# Altium PCB VALVEBOARD_Kun.PcbDoc (part 6 of 13) (continued)
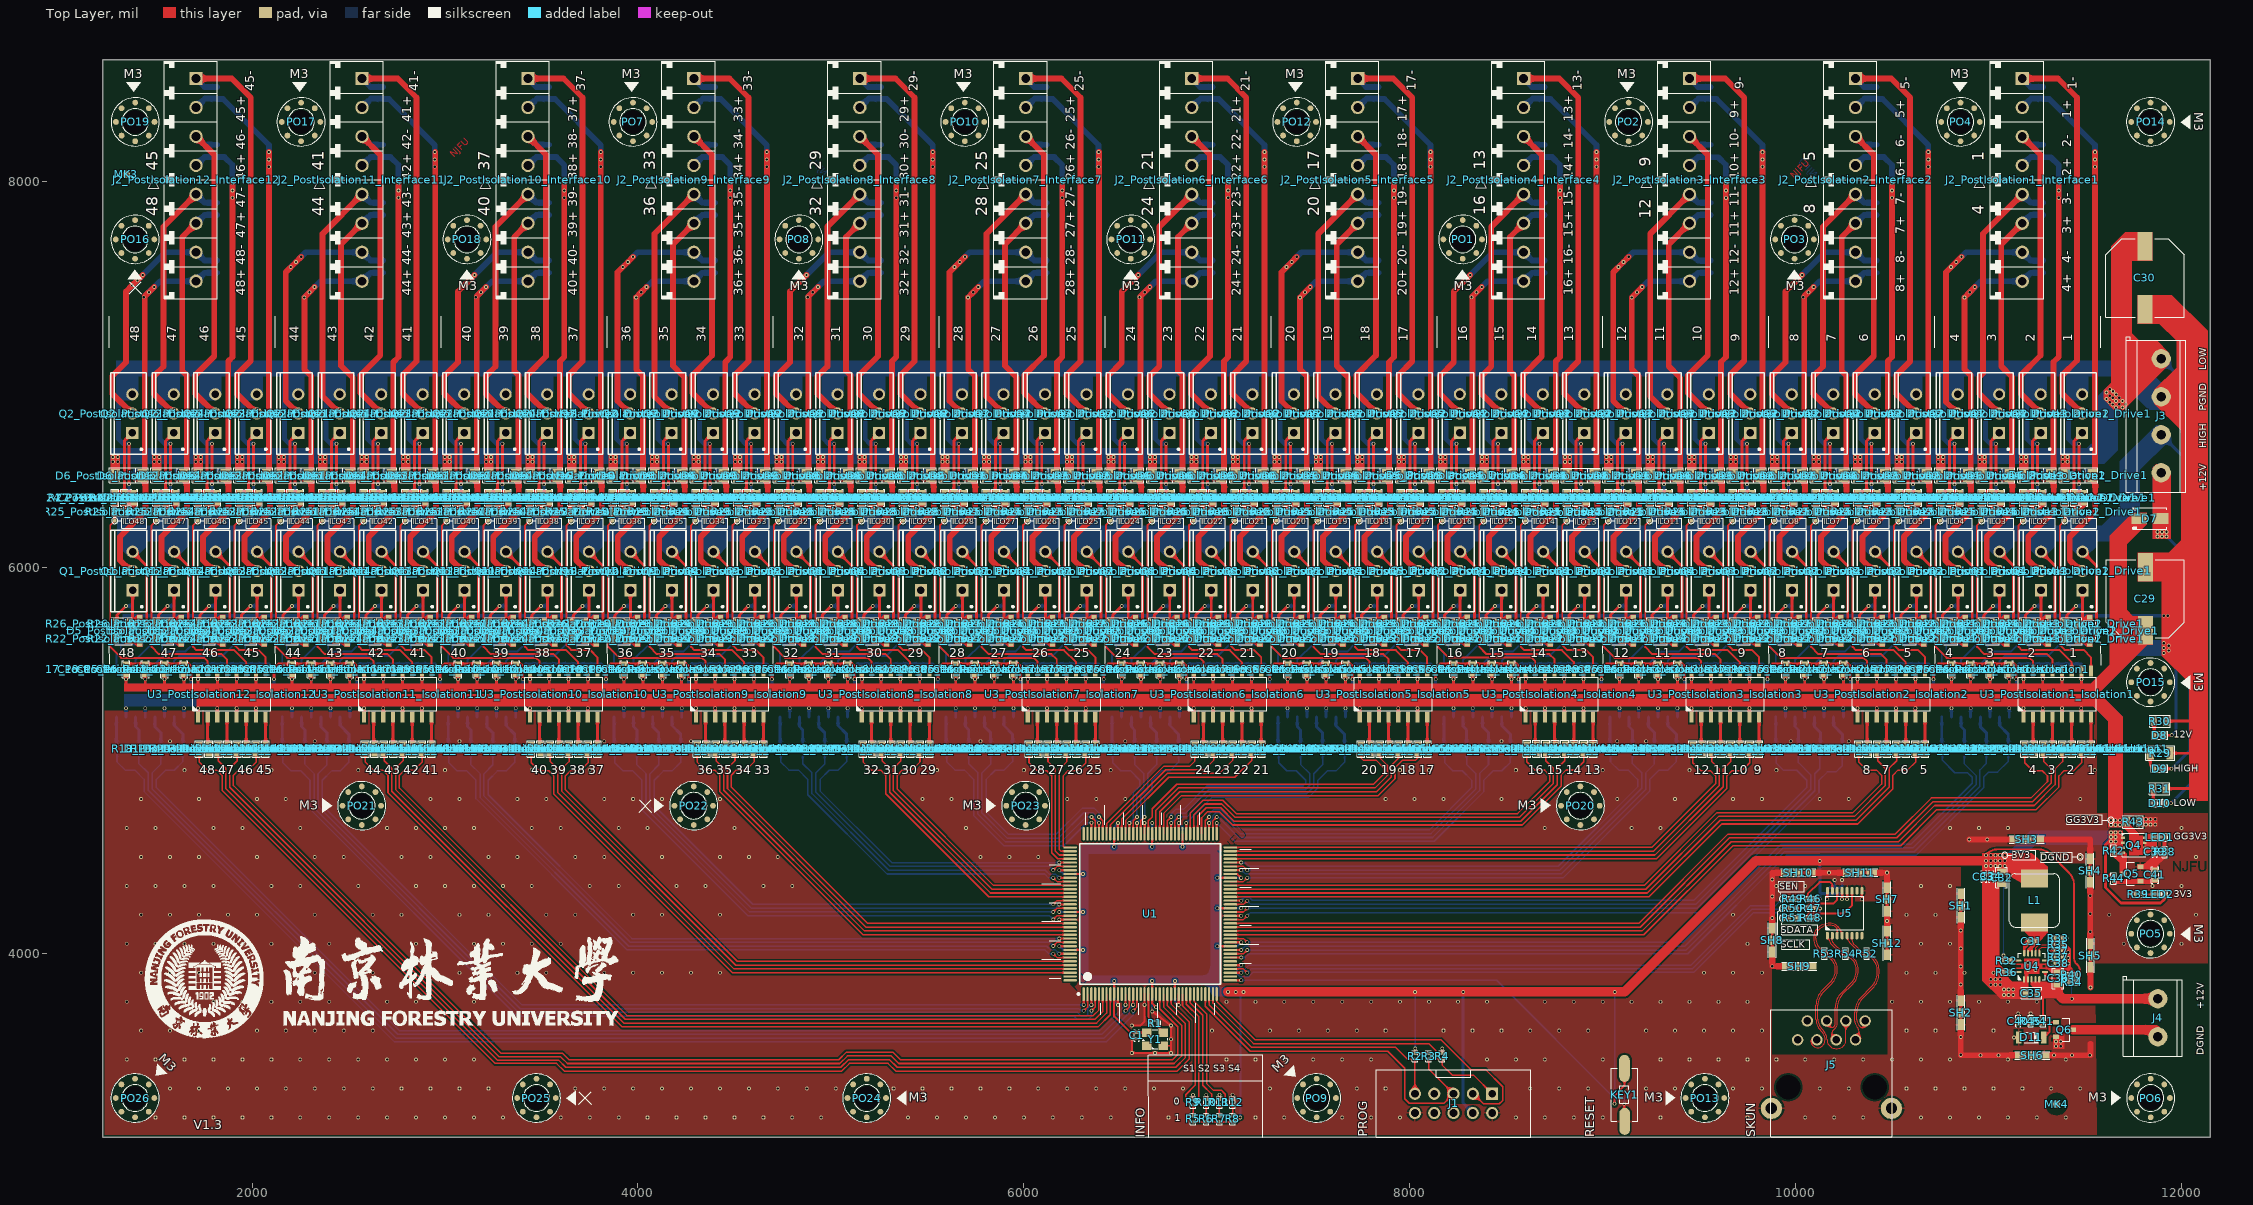
[diagram p0: Top Layer view]
## Nets (pads, with @x,y where several pads share a name; then routed paths per layer and width w, separated by ;. In a path a pad name is that pad's centre, name@x,y a point inside that pad or via, vN(x,y) a via of type N, cw(c..) or ccw(c..) an arc to the next point about the centre after c; other vN are vias at no path point) (continued)
ILO1_PostIsolation4: pad.@8813.9,6242.99 R24_PostIsolation4_Drive1.1 R25_PostIsolation4_Drive1.1 U3_PostIsolation4_Isolation4.9 | length 956.6
  Top Layer w10: 8790.37,5596.36 8790.37,6219.06 ; 8790.65,5596.63 8813.83,5573.44 8911.81,5573.44 8950.49,5534.76 U3_PostIsolation4_Isolation4.9@8950.49,5463.08 ; 8791.37,6220.07 8813.02,6241.71 R25_PostIsolation4_Drive1.1@8813.02,6287.83
ILO1_PostIsolation5: pad.@7953.84,6243.12 R24_PostIsolation5_Drive1.1 R25_PostIsolation5_Drive1.1 U3_PostIsolation5_Isolation5.9 | length 956.6
  Top Layer w10: 7930.31,5596.5 7930.31,6219.2 ; 7930.59,5596.18 7953.77,5573 8051.75,5573 8090.43,5534.32 U3_PostIsolation5_Isolation5.9@8090.43,5462.63 ; 7931.31,6220.2 7952.95,6241.84 R25_PostIsolation5_Drive1.1@7952.95,6287.97
ILO1_PostIsolation6: pad.@7093.78,6243.12 R24_PostIsolation6_Drive1.1 R25_PostIsolation6_Drive1.1 U3_PostIsolation6_Isolation6.9 | length 957
  Top Layer w10: 7070.25,6219.2 7070.25,5596.5 7093.71,5573 7191.69,5573 7230.37,5534.32 U3_PostIsolation6_Isolation6.9@7230.37,5462.63 ; 7071.25,6220.2 7092.89,6241.84 R25_PostIsolation6_Drive1.1@7092.89,6287.97
ILO1_PostIsolation7: pad.@6233.72,6243.12 R24_PostIsolation7_Drive1.1 R25_PostIsolation7_Drive1.1 U3_PostIsolation7_Isolation7.9 | length 956.6
  Top Layer w10: 6210.19,5596.5 6210.19,6219.2 ; 6210.47,5596.18 6233.65,5573 6331.63,5573 6370.31,5534.32 U3_PostIsolation7_Isolation7.9@6370.31,5462.63 ; 6211.19,6220.2 6232.83,6241.84 R25_PostIsolation7_Drive1.1@6232.83,6287.97
ILO1_PostIsolation8: pad.@5373.66,6243.12 R24_PostIsolation8_Drive1.1 R25_PostIsolation8_Drive1.1 U3_PostIsolation8_Isolation8.9 | length 957
  Top Layer w10: 5350.12,6219.2 5350.12,5596.5 5373.59,5573 5471.57,5573 5510.25,5534.32 U3_PostIsolation8_Isolation8.9@5510.25,5462.63 ; 5351.13,6220.2 5372.77,6241.84 R25_PostIsolation8_Drive1.1@5372.77,6287.97
ILO1_PostIsolation9: pad.@4513.6,6243.12 R24_PostIsolation9_Drive1.1 R25_PostIsolation9_Drive1.1 U3_PostIsolation9_Isolation9.9 | length 956.6
  Top Layer w10: 4490.06,5596.5 4490.06,6219.19 ; 4490.35,5596.18 4513.53,5573 4611.51,5573 4650.19,5534.32 U3_PostIsolation9_Isolation9.9@4650.19,5462.63 ; 4491.07,6220.2 4512.71,6241.84 R25_PostIsolation9_Drive1.1@4512.71,6287.97
ILO1_PostIsolation10: pad.@3653.54,6243.12 R24_PostIsolation10_Drive1.1 R25_PostIsolation10_Drive1.1 U3_PostIsolation10_Isolation10.9 | length 957
  Top Layer w10: 3630,6219.19 3630,5596.5 3653.47,5573 3751.44,5573 3790.13,5534.32 U3_PostIsolation10_Isolation10.9@3790.13,5462.63 ; 3631.01,6220.2 3652.65,6241.84 R25_PostIsolation10_Drive1.1@3652.65,6287.97
ILO1_PostIsolation11: pad.@2793.48,6243.12 R24_PostIsolation11_Drive1.1 R25_PostIsolation11_Drive1.1 U3_PostIsolation11_Isolation11.9 | length 956.6
  Top Layer w10: 2769.94,5596.5 2769.94,6219.2 ; 2770.23,5596.18 2793.41,5573 2891.38,5573 2930.07,5534.32 U3_PostIsolation11_Isolation11.9@2930.07,5462.63 ; 2770.95,6220.2 2792.59,6241.84 R25_PostIsolation11_Drive1.1@2792.59,6287.97
ILO1_PostIsolation12: pad.@1933.42,6243.12 R24_PostIsolation12_Drive1.1 R25_PostIsolation12_Drive1.1 U3_PostIsolation12_Isolation12.9 | length 957
  Top Layer w10: 1909.87,5596.48 1933.35,5573 2031.32,5573 2070,5534.32 U3_PostIsolation12_Isolation12.9@2070,5462.63 ; 1909.88,5596.5 1909.88,6219.19 ; 1910.89,6220.2 1932.53,6241.84 R25_PostIsolation12_Drive1.1@1932.53,6287.97
ILO2_PostIsolation1: pad.@11179.07,6243.12 R24_PostIsolation1_Drive2.1 R25_PostIsolation1_Drive2.1 U3_PostIsolation1_Isolation1.11 | length 1063.2
  Top Layer w10: R25_PostIsolation1_Drive2.1@11178.19,6287.97 11178.19,6241.84 11155.54,6219.2 11155.54,5588.93 11172.76,5571.71 11368.26,5571.71 11430.68,5509.28 U3_PostIsolation1_Isolation1.11@11430.68,5462.63
ILO2_PostIsolation2: pad.@10319.01,6243.12 R24_PostIsolation2_Drive2.1 R25_PostIsolation2_Drive2.1 U3_PostIsolation2_Isolation2.11 | length 1061.8
  Top Layer w10: 10295.41,5588.95 10312.64,5571.73 10508.14,5571.73 10570.56,5509.3 U3_PostIsolation2_Isolation2.11@10570.56,5462.65 ; 10295.47,5588.95 10295.47,6219.2 ; 10296.48,6220.2 10318.12,6241.84 R25_PostIsolation2_Drive2.1@10318.12,6287.97
ILO2_PostIsolation3: pad.@9458.95,6243.12 R24_PostIsolation3_Drive2.1 R25_PostIsolation3_Drive2.1 U3_PostIsolation3_Isolation3.11 | length 1061.8
  Top Layer w10: 9435.35,5588.95 9452.58,5571.73 9648.07,5571.73 9710.5,5509.3 U3_PostIsolation3_Isolation3.11@9710.5,5462.65 ; 9435.41,5588.95 9435.41,6219.2 ; 9436.42,6220.2 9458.06,6241.84 R25_PostIsolation3_Drive2.1@9458.06,6287.97
ILO2_PostIsolation4: pad.@8598.89,6243.12 R24_PostIsolation4_Drive2.1 R25_PostIsolation4_Drive2.1 U3_PostIsolation4_Isolation4.11 | length 1061.3
  Top Layer w10: 8575.35,5588.95 8575.35,6219.2 ; 8575.64,5589.08 8592.57,5572.15 8788.07,5572.15 8850.49,5509.73 U3_PostIsolation4_Isolation4.11@8850.49,5463.08 ; 8576.36,6220.2 8598,6241.84 R25_PostIsolation4_Drive2.1@8598,6287.97
ILO2_PostIsolation5: pad.@7738.83,6243.12 R24_PostIsolation5_Drive2.1 R25_PostIsolation5_Drive2.1 U3_PostIsolation5_Isolation5.11 | length 1061.3
  Top Layer w10: 7715.29,5588.95 7715.29,6219.2 ; 7715.58,5588.64 7732.51,5571.71 7928.01,5571.71 7990.43,5509.28 U3_PostIsolation5_Isolation5.11@7990.43,5462.63 ; 7716.3,6220.2 7737.94,6241.84 R25_PostIsolation5_Drive2.1@7737.94,6287.97
ILO2_PostIsolation6: pad.@6878.77,6243.12 R24_PostIsolation6_Drive2.1 R25_PostIsolation6_Drive2.1 U3_PostIsolation6_Isolation6.11 | length 1061.3
  Top Layer w10: 6855.23,6219.2 6855.23,5588.95 6872.16,5572 ; 6856.24,6220.2 6877.88,6241.84 R25_PostIsolation6_Drive2.1@6877.88,6287.97 ; 6872.45,5571.71 7067.95,5571.71 7130.37,5509.28 U3_PostIsolation6_Isolation6.11@7130.37,5462.63
ILO2_PostIsolation7: pad.@6018.71,6243.12 R24_PostIsolation7_Drive2.1 R25_PostIsolation7_Drive2.1 U3_PostIsolation7_Isolation7.11 | length 1061.3
  Top Layer w10: 5995.17,5588.95 5995.17,6219.2 ; 5995.46,5588.64 6012.39,5571.71 6207.89,5571.71 6270.31,5509.28 U3_PostIsolation7_Isolation7.11@6270.31,5462.63 ; 5996.18,6220.2 6017.82,6241.84 R25_PostIsolation7_Drive2.1@6017.82,6287.97
ILO2_PostIsolation8: pad.@5158.65,6243.12 R24_PostIsolation8_Drive2.1 R25_PostIsolation8_Drive2.1 U3_PostIsolation8_Isolation8.11 | length 1061.3
  Top Layer w10: 5135.11,6219.2 5135.11,5588.95 5152.03,5572 ; 5136.12,6220.2 5157.76,6241.84 R25_PostIsolation8_Drive2.1@5157.76,6287.97 ; 5152.33,5571.71 5347.83,5571.71 5410.25,5509.28 U3_PostIsolation8_Isolation8.11@5410.25,5462.63
ILO2_PostIsolation9: pad.@4298.58,6243.12 R24_PostIsolation9_Drive2.1 R25_PostIsolation9_Drive2.1 U3_PostIsolation9_Isolation9.11 | length 1061.3
  Top Layer w10: 4275.05,5588.95 4275.05,6219.19 ; 4275.34,5588.64 4292.27,5571.71 4487.77,5571.71 4550.19,5509.28 U3_PostIsolation9_Isolation9.11@4550.19,5462.63 ; 4276.05,6220.2 4297.7,6241.84 R25_PostIsolation9_Drive2.1@4297.7,6287.97
ILO2_PostIsolation10: pad.@3438.52,6243.12 R24_PostIsolation10_Drive2.1 R25_PostIsolation10_Drive2.1 U3_PostIsolation10_Isolation10.11 | length 1061.3
  Top Layer w10: 3414.99,6219.19 3414.99,5588.95 3431.91,5572 ; 3415.99,6220.2 3437.64,6241.84 R25_PostIsolation10_Drive2.1@3437.64,6287.97 ; 3432.21,5571.71 3627.7,5571.71 3690.13,5509.28 U3_PostIsolation10_Isolation10.11@3690.13,5462.63
ILO2_PostIsolation11: pad.@2578.46,6243.12 R24_PostIsolation11_Drive2.1 R25_PostIsolation11_Drive2.1 U3_PostIsolation11_Isolation11.11 | length 1061.3
  Top Layer w10: 2554.93,5588.95 2554.93,6219.2 ; 2555.22,5588.64 2572.15,5571.71 2767.64,5571.71 2830.07,5509.28 U3_PostIsolation11_Isolation11.11@2830.07,5462.63 ; 2555.93,6220.2 2577.57,6241.84 R25_PostIsolation11_Drive2.1@2577.57,6287.97
ILO2_PostIsolation12: pad.@1718.4,6243.12 R24_PostIsolation12_Drive2.1 R25_PostIsolation12_Drive2.1 U3_PostIsolation12_Isolation12.11 | length 1061.3
  Top Layer w10: 1694.87,6219.19 1694.87,5588.95 1711.79,5572 ; 1695.87,6220.2 1717.51,6241.84 R25_PostIsolation12_Drive2.1@1717.51,6287.97 ; 1712.09,5571.71 1907.58,5571.71 1970,5509.28 U3_PostIsolation12_Isolation12.11@1970,5462.63
ILO3_PostIsolation1: pad.@10963.93,6243.12 R24_PostIsolation1_Drive3.1 R25_PostIsolation1_Drive3.1 U3_PostIsolation1_Isolation1.13 | length 1187.1
  Top Layer w10: R25_PostIsolation1_Drive3.1@10963.04,6287.97 10963.04,6241.84 10940.39,6219.2 10940.39,5588.93 10977.95,5551.37 11303.47,5551.37 11330.68,5524.16 U3_PostIsolation1_Isolation1.13@11330.68,5462.63
ILO3_PostIsolation2: pad.@10104,6243.12 R24_PostIsolation2_Drive3.1 R25_PostIsolation2_Drive3.1 U3_PostIsolation2_Isolation2.13 | length 1185.6
  Top Layer w10: 10080.27,5588.95 10117.82,5551.39 10443.34,5551.39 10470.56,5524.18 U3_PostIsolation2_Isolation2.13@10470.56,5462.65 ; 10080.46,5588.95 10080.46,6219.2 ; 10081.46,6220.2 10103.11,6241.84 R25_PostIsolation2_Drive3.1@10103.11,6287.97
ILO3_PostIsolation3: pad.@9243.93,6243.12 R24_PostIsolation3_Drive3.1 R25_PostIsolation3_Drive3.1 U3_PostIsolation3_Isolation3.13 | length 1185.6
  Top Layer w10: 9220.21,5588.95 9257.76,5551.39 9583.28,5551.39 9610.5,5524.18 U3_PostIsolation3_Isolation3.13@9610.5,5462.65 ; 9220.4,5588.95 9220.4,6219.2 ; 9221.4,6220.2 9243.05,6241.84 R25_PostIsolation3_Drive3.1@9243.05,6287.97
ILO3_PostIsolation4: pad.@8383.87,6243.12 R24_PostIsolation4_Drive3.1 R25_PostIsolation4_Drive3.1 U3_PostIsolation4_Isolation4.13 | length 1185.1
  Top Layer w10: 8360.34,6219.2 8360.34,5589.24 8397.76,5551.82 8723.28,5551.82 8750.49,5524.6 U3_PostIsolation4_Isolation4.13@8750.49,5463.08 ; 8361.34,6220.2 8382.99,6241.84 R25_PostIsolation4_Drive3.1@8382.99,6287.97
ILO3_PostIsolation5: pad.@7523.81,6243.12 R24_PostIsolation5_Drive3.1 R25_PostIsolation5_Drive3.1 U3_PostIsolation5_Isolation5.13 | length 1185.2
  Top Layer w10: 7500.28,5588.95 7500.28,6219.2 ; 7500.43,5588.64 7537.7,5551.37 7863.22,5551.37 7890.43,5524.16 U3_PostIsolation5_Isolation5.13@7890.43,5462.63 ; 7501.28,6220.2 7522.92,6241.84 R25_PostIsolation5_Drive3.1@7522.92,6287.97
ILO3_PostIsolation6: pad.@6663.75,6243.12 R24_PostIsolation6_Drive3.1 R25_PostIsolation6_Drive3.1 U3_PostIsolation6_Isolation6.13 | length 1185.6
  Top Layer w10: 6640.22,6219.2 6640.22,5588.79 6677.64,5551.37 7003.16,5551.37 7030.37,5524.16 U3_PostIsolation6_Isolation6.13@7030.37,5462.63 ; 6641.22,6220.2 6662.86,6241.84 R25_PostIsolation6_Drive3.1@6662.86,6287.97
ILO3_PostIsolation7: pad.@5803.69,6243.12 R24_PostIsolation7_Drive3.1 R25_PostIsolation7_Drive3.1 U3_PostIsolation7_Isolation7.13 | length 1185.2
  Top Layer w10: 5780.15,5588.95 5780.15,6219.2 ; 5780.31,5588.64 5817.57,5551.37 6143.09,5551.37 6170.31,5524.16 U3_PostIsolation7_Isolation7.13@6170.31,5462.63 ; 5781.16,6220.2 5802.8,6241.84 R25_PostIsolation7_Drive3.1@5802.8,6287.97
ILO3_PostIsolation8: pad.@4943.63,6243.12 R24_PostIsolation8_Drive3.1 R25_PostIsolation8_Drive3.1 U3_PostIsolation8_Isolation8.13 | length 1185.6
  Top Layer w10: 4920.09,6219.2 4920.09,5588.79 4957.51,5551.37 5283.03,5551.37 5310.25,5524.16 U3_PostIsolation8_Isolation8.13@5310.25,5462.63 ; 4921.1,6220.2 4942.74,6241.84 R25_PostIsolation8_Drive3.1@4942.74,6287.97
ILO3_PostIsolation9: pad.@4083.57,6243.12 R24_PostIsolation9_Drive3.1 R25_PostIsolation9_Drive3.1 U3_PostIsolation9_Isolation9.13 | length 1185.2
  Top Layer w10: 4060.03,5588.95 4060.03,6219.19 ; 4060.19,5588.64 4097.45,5551.37 4422.97,5551.37 4450.19,5524.16 U3_PostIsolation9_Isolation9.13@4450.19,5462.63 ; 4061.04,6220.2 4082.68,6241.84 R25_PostIsolation9_Drive3.1@4082.68,6287.97
ILO3_PostIsolation10: pad.@3223.51,6243.12 R24_PostIsolation10_Drive3.1 R25_PostIsolation10_Drive3.1 U3_PostIsolation10_Isolation10.13 | length 1185.6
  Top Layer w10: 3199.97,6219.19 3199.97,5588.79 3237.39,5551.37 3562.91,5551.37 3590.13,5524.16 U3_PostIsolation10_Isolation10.13@3590.13,5462.63 ; 3200.98,6220.2 3222.62,6241.84 R25_PostIsolation10_Drive3.1@3222.62,6287.97
ILO3_PostIsolation11: pad.@2363.45,6243.12 R24_PostIsolation11_Drive3.1 R25_PostIsolation11_Drive3.1 U3_PostIsolation11_Isolation11.13 | length 1185.2
  Top Layer w10: 2339.91,5588.95 2339.91,6219.2 ; 2340.07,5588.64 2377.33,5551.37 2702.85,5551.37 2730.07,5524.16 U3_PostIsolation11_Isolation11.13@2730.07,5462.63 ; 2340.92,6220.2 2362.56,6241.84 R25_PostIsolation11_Drive3.1@2362.56,6287.97
ILO3_PostIsolation12: pad.@1503.39,6243.12 R24_PostIsolation12_Drive3.1 R25_PostIsolation12_Drive3.1 U3_PostIsolation12_Isolation12.13 | length 1185.6
  Top Layer w10: 1479.85,6219.19 1479.85,5588.79 1517.27,5551.37 1842.79,5551.37 1870,5524.16 U3_PostIsolation12_Isolation12.13@1870,5462.63 ; 1480.86,6220.2 1502.5,6241.84 R25_PostIsolation12_Drive3.1@1502.5,6287.97
ILO4_PostIsolation1: pad.@10749.15,6243.12 R24_PostIsolation1_Drive4.1 R25_PostIsolation1_Drive4.1 U3_PostIsolation1_Isolation1.15 | length 1295.5
  Top Layer w10: R25_PostIsolation1_Drive4.1@10748.26,6287.97 10748.26,6241.84 10725.61,6219.2 10725.61,5588.93 10782.29,5532.25 11211.76,5532.25 11230.68,5513.32 U3_PostIsolation1_Isolation1.15@11230.68,5462.63
ILO4_PostIsolation2: pad.@9888.98,6243.12 R24_PostIsolation2_Drive4.1 R25_PostIsolation2_Drive4.1 U3_PostIsolation2_Isolation2.15 | length 1295.5
  Top Layer w10: R25_PostIsolation2_Drive4.1@9888.09,6287.97 9888.09,6241.84 9865.44,6219.2 9865.44,5611.48 9865.49,5611.44 9865.49,5588.95 9922.17,5532.27 10351.63,5532.27 10370.56,5513.34 U3_PostIsolation2_Isolation2.15@10370.56,5462.65
ILO4_PostIsolation3: pad.@9028.92,6243.12 R24_PostIsolation3_Drive4.1 R25_PostIsolation3_Drive4.1 U3_PostIsolation3_Isolation3.15 | length 1294.1
  Top Layer w10: 9005.38,5588.95 9005.38,6219.2 ; 9005.43,5588.95 9062.11,5532.27 9491.57,5532.27 9510.5,5513.34 U3_PostIsolation3_Isolation3.15@9510.5,5462.65 ; 9006.39,6220.2 9028.03,6241.84 R25_PostIsolation3_Drive4.1@9028.03,6287.97
ILO4_PostIsolation4: pad.@8168.86,6243.56 R24_PostIsolation4_Drive4.1 R25_PostIsolation4_Drive4.1 U3_PostIsolation4_Isolation4.15 | length 1295.5
  Top Layer w10: 8145.37,5589.4 8145.37,5611.88 8145.32,5611.93 8145.32,6219.64 8167.97,6242.29 R25_PostIsolation4_Drive4.1@8167.97,6288.41 ; 8145.42,5589.38 8202.1,5532.69 8631.57,5532.69 8650.49,5513.77 U3_PostIsolation4_Isolation4.15@8650.49,5463.08
ILO4_PostIsolation5: pad.@7308.8,6243.12 R24_PostIsolation5_Drive4.1 R25_PostIsolation5_Drive4.1 U3_PostIsolation5_Isolation5.15 | length 1294.1
  Top Layer w10: 7285.26,5588.93 7285.26,6219.2 ; 7285.36,5588.93 7342.04,5532.25 7771.51,5532.25 7790.43,5513.32 U3_PostIsolation5_Isolation5.15@7790.43,5462.63 ; 7286.27,6220.2 7307.91,6241.84 R25_PostIsolation5_Drive4.1@7307.91,6287.97
ILO4_PostIsolation6: pad.@6448.74,6243.12 R24_PostIsolation6_Drive4.1 R25_PostIsolation6_Drive4.1 U3_PostIsolation6_Isolation6.15 | length 1295.5
  Top Layer w10: R25_PostIsolation6_Drive4.1@6447.85,6287.97 6447.85,6241.84 6425.2,6219.2 6425.2,5611.48 6425.24,5611.44 6425.24,5588.99 6481.98,5532.25 6911.45,5532.25 6930.37,5513.32 U3_PostIsolation6_Isolation6.15@6930.37,5462.63
ILO4_PostIsolation7: pad.@5588.68,6243.12 R24_PostIsolation7_Drive4.1 R25_PostIsolation7_Drive4.1 U3_PostIsolation7_Isolation7.15 | length 1294.1
  Top Layer w10: 5565.14,6219.2 5565.14,5589.03 5621.92,5532.25 6051.38,5532.25 6070.31,5513.32 U3_PostIsolation7_Isolation7.15@6070.31,5462.63 ; 5566.15,6220.2 5587.79,6241.84 R25_PostIsolation7_Drive4.1@5587.79,6287.97
ILO4_PostIsolation8: pad.@4728.62,6243.12 R24_PostIsolation8_Drive4.1 R25_PostIsolation8_Drive4.1 U3_PostIsolation8_Isolation8.15 | length 1295.5
  Top Layer w10: R25_PostIsolation8_Drive4.1@4727.73,6287.97 4727.73,6241.84 4705.08,6219.2 4705.08,5611.48 4705.12,5611.44 4705.12,5588.99 4761.86,5532.25 5191.32,5532.25 5210.25,5513.32 U3_PostIsolation8_Isolation8.15@5210.25,5462.63
ILO4_PostIsolation9: pad.@3868.55,6243.12 R24_PostIsolation9_Drive4.1 R25_PostIsolation9_Drive4.1 U3_PostIsolation9_Isolation9.15 | length 1294.1
  Top Layer w10: 3845.02,6219.19 3845.02,5589.03 3901.8,5532.25 4331.26,5532.25 4350.19,5513.32 U3_PostIsolation9_Isolation9.15@4350.19,5462.63 ; 3846.02,6220.2 3867.67,6241.84 R25_PostIsolation9_Drive4.1@3867.67,6287.97
ILO4_PostIsolation10: pad.@3008.49,6243.12 R24_PostIsolation10_Drive4.1 R25_PostIsolation10_Drive4.1 U3_PostIsolation10_Isolation10.15 | length 1295.5
  Top Layer w10: R25_PostIsolation10_Drive4.1@3007.61,6287.97 3007.61,6241.84 2984.96,6219.19 2984.96,5611.48 2985,5611.44 2985,5588.99 3041.74,5532.25 3471.2,5532.25 3490.13,5513.32 U3_PostIsolation10_Isolation10.15@3490.13,5462.63
ILO4_PostIsolation11: pad.@2148.43,6243.12 R24_PostIsolation11_Drive4.1 R25_PostIsolation11_Drive4.1 U3_PostIsolation11_Isolation11.15 | length 1294.1
  Top Layer w10: 2124.9,6219.2 2124.9,5589.03 2181.68,5532.25 2611.14,5532.25 2630.07,5513.33 U3_PostIsolation11_Isolation11.15@2630.07,5462.63 ; 2125.9,6220.2 2147.54,6241.84 R25_PostIsolation11_Drive4.1@2147.54,6287.97
ILO4_PostIsolation12: pad.@1288.37,6243.12 R24_PostIsolation12_Drive4.1 R25_PostIsolation12_Drive4.1 U3_PostIsolation12_Isolation12.15 | length 1295.5
  Top Layer w10: R25_PostIsolation12_Drive4.1@1287.48,6287.97 1287.48,6241.84 1264.84,6219.19 1264.84,5611.48 1264.88,5611.44 1264.88,5588.98 1321.62,5532.25 1751.08,5532.25 1770,5513.33 U3_PostIsolation12_Isolation12.15@1770,5462.63
IUO1_PostIsolation1: C28_PostIsolation1_Drive1.2 pad.@11424.38,5567.42 Q3_PostIsolation1_Drive1.G R28_PostIsolation1_Drive1.2 U2_PostIsolation1_Isolation1.15 | length 591
  Bottom Layer w8: pad.@11424.38,5567.42 11424.38,5603.25 ; R28_PostIsolation1_Drive1.2@11434.87,5602.5 11442.68,5610.31 R28_PostIsolation1_Drive1.2@11446.49,5610.31
  Bottom Layer w10: U2_PostIsolation1_Isolation1.15@11057.18,5462.99 11057.18,5516.28 11082.13,5541.23 11306.56,5541.23 11370.61,5605.28
  Bottom Layer w15: Q3_PostIsolation1_Drive1.G@11523.25,5714.55 11523.25,5710.61 11527.56,5706.3 11531.5,5706.3 11560.65,5677.15 11560.65,5645.75 C28_PostIsolation1_Drive1.2@11525.21,5610.31
IUO1_PostIsolation2: C28_PostIsolation2_Drive1.2 pad.@10564.32,5567.29 Q3_PostIsolation2_Drive1.G R28_PostIsolation2_Drive1.2 U2_PostIsolation2_Isolation2.15 | length 581.5
  Bottom Layer w8: pad.@10564.32,5567.29 10564.32,5603.12
  Bottom Layer w10: U2_PostIsolation2_Isolation2.15@10197.06,5463.01 10197.06,5516.3 10222.01,5541.25 10446.44,5541.25 10510.49,5605.3 10510.49,5610.7
  Bottom Layer w15: Q3_PostIsolation2_Drive1.G@10663.2,5714.42 10663.2,5710.48 10667.51,5706.17 10671.44,5706.17 10700.6,5677.02 10700.6,5645.62 10669.47,5614.5 C28_PostIsolation2_Drive1.2@10665.16,5610.18
IUO1_PostIsolation3: C28_PostIsolation3_Drive1.2 pad.@9704.26,5567.29 Q3_PostIsolation3_Drive1.G R28_PostIsolation3_Drive1.2 U2_PostIsolation3_Isolation3.15 | length 576.1
  Bottom Layer w8: pad.@9704.26,5567.29 9704.26,5603.12
  Bottom Layer w10: U2_PostIsolation3_Isolation3.15@9337,5463.01 9337,5516.3 9361.95,5541.25 9586.38,5541.25 9650.43,5605.3
  Bottom Layer w15: Q3_PostIsolation3_Drive1.G@9803.14,5714.42 9803.14,5710.48 9807.45,5706.17 9811.38,5706.17 9840.54,5677.02 9840.54,5645.62 9809.41,5614.5 C28_PostIsolation3_Drive1.2@9805.1,5610.18
IUO1_PostIsolation4: C28_PostIsolation4_Drive1.2 pad.@8844.2,5567.16 Q3_PostIsolation4_Drive1.G R28_PostIsolation4_Drive1.2 U2_PostIsolation4_Isolation4.15 | length 576.1
  Bottom Layer w8: pad.@8844.2,5567.16 8844.2,5602.99
  Bottom Layer w10: U2_PostIsolation4_Isolation4.15@8476.99,5463.44 8476.99,5516.73 8501.94,5541.67 8726.37,5541.67 8790.42,5605.72
  Bottom Layer w15: Q3_PostIsolation4_Drive1.G@8943.08,5714.28 8943.08,5710.35 8947.39,5706.04 8951.32,5706.04 8980.48,5676.88 8980.48,5645.49 8949.35,5614.36 C28_PostIsolation4_Drive1.2@8945.04,5610.05
IUO1_PostIsolation5: C28_PostIsolation5_Drive1.2 pad.@7984.14,5567.29 Q3_PostIsolation5_Drive1.G R28_PostIsolation5_Drive1.2 U2_PostIsolation5_Isolation5.15 | length 576.1
  Bottom Layer w8: pad.@7984.14,5567.29 7984.14,5603.12
  Bottom Layer w10: U2_PostIsolation5_Isolation5.15@7616.93,5462.99 7616.93,5516.28 7641.88,5541.23 7866.31,5541.23 7930.36,5605.28
  Bottom Layer w15: Q3_PostIsolation5_Drive1.G@8083.01,5714.42 8083.01,5710.48 8087.33,5706.17 8091.26,5706.17 8120.41,5677.02 8120.41,5645.62 8089.29,5614.5 C28_PostIsolation5_Drive1.2@8084.97,5610.18
IUO1_PostIsolation6: C28_PostIsolation6_Drive1.2 pad.@7124.08,5567.29 Q3_PostIsolation6_Drive1.G R28_PostIsolation6_Drive1.2 U2_PostIsolation6_Isolation6.15 | length 576.1
  Bottom Layer w8: pad.@7124.08,5567.29 7124.08,5603.12
  Bottom Layer w10: U2_PostIsolation6_Isolation6.15@6756.87,5462.99 6756.87,5516.28 6781.82,5541.23 7006.25,5541.23 ; 7005.95,5541.52 7070.01,5605.57
  Bottom Layer w15: Q3_PostIsolation6_Drive1.G@7222.95,5714.42 7222.95,5710.48 7227.26,5706.17 7231.2,5706.17 7260.35,5677.02 7260.35,5645.62 7229.23,5614.5 C28_PostIsolation6_Drive1.2@7224.91,5610.18
IUO1_PostIsolation7: C28_PostIsolation7_Drive1.2 pad.@6264.02,5567.29 Q3_PostIsolation7_Drive1.G R28_PostIsolation7_Drive1.2 U2_PostIsolation7_Isolation7.15 | length 576.1
  Bottom Layer w8: pad.@6264.02,5567.29 6264.02,5603.12
  Bottom Layer w10: U2_PostIsolation7_Isolation7.15@5896.81,5462.99 5896.81,5516.28 5921.76,5541.23 6146.19,5541.23 6210.24,5605.28
  Bottom Layer w15: Q3_PostIsolation7_Drive1.G@6362.89,5714.42 6362.89,5710.48 6367.2,5706.17 6371.14,5706.17 6400.29,5677.02 6400.29,5645.62 6369.16,5614.5 C28_PostIsolation7_Drive1.2@6364.85,5610.18
IUO1_PostIsolation8: C28_PostIsolation8_Drive1.2 pad.@5403.96,5567.29 Q3_PostIsolation8_Drive1.G R28_PostIsolation8_Drive1.2 U2_PostIsolation8_Isolation8.15 | length 576.1
  Bottom Layer w8: pad.@5403.96,5567.29 5403.96,5603.12
  Bottom Layer w10: U2_PostIsolation8_Isolation8.15@5036.75,5462.99 5036.75,5516.28 5061.7,5541.23 5286.13,5541.23 ; 5285.83,5541.52 5349.88,5605.57
  Bottom Layer w15: Q3_PostIsolation8_Drive1.G@5502.83,5714.42 5502.83,5710.48 5507.14,5706.17 5511.08,5706.17 5540.23,5677.02 5540.23,5645.62 5509.1,5614.5 C28_PostIsolation8_Drive1.2@5504.79,5610.18
IUO1_PostIsolation9: C28_PostIsolation9_Drive1.2 pad.@4543.9,5567.29 Q3_PostIsolation9_Drive1.G R28_PostIsolation9_Drive1.2 U2_PostIsolation9_Isolation9.15 | length 576.1
  Bottom Layer w8: pad.@4543.9,5567.29 4543.9,5603.12
  Bottom Layer w10: U2_PostIsolation9_Isolation9.15@4176.69,5462.99 4176.69,5516.28 4201.64,5541.23 4426.07,5541.23 4490.12,5605.28
  Bottom Layer w15: Q3_PostIsolation9_Drive1.G@4642.77,5714.42 4642.77,5710.48 4647.08,5706.17 4651.02,5706.17 4680.17,5677.02 4680.17,5645.62 4649.04,5614.49 C28_PostIsolation9_Drive1.2@4644.73,5610.18
IUO1_PostIsolation10: C28_PostIsolation10_Drive1.2 pad.@3683.84,5567.29 Q3_PostIsolation10_Drive1.G R28_PostIsolation10_Drive1.2 U2_PostIsolation10_Isolation10.15 | length 576.1
  Bottom Layer w8: pad.@3683.84,5567.29 3683.84,5603.12
  Bottom Layer w10: U2_PostIsolation10_Isolation10.15@3316.63,5462.99 3316.63,5516.28 3341.58,5541.23 3566.01,5541.23 ; 3565.71,5541.52 3629.76,5605.57
  Bottom Layer w15: Q3_PostIsolation10_Drive1.G@3782.71,5714.42 3782.71,5710.48 3787.02,5706.17 3790.96,5706.17 3820.11,5677.02 3820.11,5645.62 3788.98,5614.49 C28_PostIsolation10_Drive1.2@3784.67,5610.18
IUO1_PostIsolation11: C28_PostIsolation11_Drive1.2 pad.@2823.78,5567.29 Q3_PostIsolation11_Drive1.G R28_PostIsolation11_Drive1.2 U2_PostIsolation11_Isolation11.15 | length 576.1
  Bottom Layer w8: pad.@2823.78,5567.29 2823.78,5603.12
  Bottom Layer w10: U2_PostIsolation11_Isolation11.15@2456.57,5462.99 2456.57,5516.28 2481.52,5541.23 2705.95,5541.23 2770,5605.28
  Bottom Layer w15: Q3_PostIsolation11_Drive1.G@2922.65,5714.42 2922.65,5710.48 2926.96,5706.17 2930.9,5706.17 2960.05,5677.02 2960.05,5645.62 2928.92,5614.5 C28_PostIsolation11_Drive1.2@2924.61,5610.19
IUO1_PostIsolation12: C28_PostIsolation12_Drive1.2 pad.@1963.72,5567.29 Q3_PostIsolation12_Drive1.G R28_PostIsolation12_Drive1.2 U2_PostIsolation12_Isolation12.15 | length 576.1
  Bottom Layer w8: pad.@1963.72,5567.29 1963.72,5603.12
  Bottom Layer w10: U2_PostIsolation12_Isolation12.15@1596.51,5462.99 1596.51,5516.28 1621.45,5541.23 1845.88,5541.23 ; 1845.59,5541.52 1909.64,5605.57
  Bottom Layer w15: Q3_PostIsolation12_Drive1.G@2062.59,5714.42 2062.59,5710.48 2066.9,5706.17 2070.84,5706.17 2099.99,5677.02 2099.99,5645.62 2068.86,5614.49 C28_PostIsolation12_Drive1.2@2064.55,5610.18
IUO2_PostIsolation1: C28_PostIsolation1_Drive2.2 pad.@11209.37,5567.29 Q3_PostIsolation1_Drive2.G R28_PostIsolation1_Drive2.2 U2_PostIsolation1_Isolation1.13 | length 450
  Bottom Layer w8: pad.@11209.37,5567.29 11209.37,5603.12
  Bottom Layer w10: U2_PostIsolation1_Isolation1.13@10957.18,5462.99 10957.18,5497.7 11024.07,5564.59 11115.56,5564.59 11155.6,5604.62
  Bottom Layer w15: Q3_PostIsolation1_Drive2.G@11308.24,5714.42 11308.24,5710.48 11312.56,5706.17 11316.49,5706.17 11345.64,5677.02 11345.64,5645.62 C28_PostIsolation1_Drive2.2@11310.21,5610.18
IUO2_PostIsolation2: C28_PostIsolation2_Drive2.2 pad.@10349.31,5567.29 Q3_PostIsolation2_Drive2.G R28_PostIsolation2_Drive2.2 U2_PostIsolation2_Isolation2.13 | length 450
  Bottom Layer w8: pad.@10349.31,5567.29 10349.31,5603.12
  Bottom Layer w10: U2_PostIsolation2_Isolation2.13@10097.06,5463.01 10097.06,5497.72 10163.95,5564.61 10255.44,5564.61 10295.47,5604.64
  Bottom Layer w15: Q3_PostIsolation2_Drive2.G@10448.18,5714.42 10448.18,5710.48 10452.49,5706.17 10456.43,5706.17 10485.58,5677.02 10485.58,5645.62 10454.45,5614.5 C28_PostIsolation2_Drive2.2@10450.14,5610.18
IUO2_PostIsolation3: C28_PostIsolation3_Drive2.2 pad.@9489.25,5567.29 Q3_PostIsolation3_Drive2.G R28_PostIsolation3_Drive2.2 U2_PostIsolation3_Isolation3.13 | length 450
  Bottom Layer w8: pad.@9489.25,5567.29 9489.25,5603.12
  Bottom Layer w10: U2_PostIsolation3_Isolation3.13@9237,5463.01 9237,5497.72 9303.88,5564.61 9395.38,5564.61 9435.41,5604.64
  Bottom Layer w15: Q3_PostIsolation3_Drive2.G@9588.12,5714.42 9588.12,5710.48 9592.43,5706.17 9596.37,5706.17 9625.52,5677.02 9625.52,5645.62 9594.39,5614.5 C28_PostIsolation3_Drive2.2@9590.08,5610.18
IUO2_PostIsolation4: C28_PostIsolation4_Drive2.2 pad.@8629.19,5567.29 Q3_PostIsolation4_Drive2.G R28_PostIsolation4_Drive2.2 U2_PostIsolation4_Isolation4.13 | length 450
  Bottom Layer w8: pad.@8629.19,5567.29 8629.19,5603.12
  Bottom Layer w10: U2_PostIsolation4_Isolation4.13@8376.99,5463.44 8376.99,5498.15 8443.88,5565.03 8535.37,5565.03 8575.41,5605.07
  Bottom Layer w15: Q3_PostIsolation4_Drive2.G@8728.06,5714.42 8728.06,5710.48 8732.37,5706.17 8736.31,5706.17 8765.46,5677.02 8765.46,5645.62 8734.33,5614.5 C28_PostIsolation4_Drive2.2@8730.02,5610.18
IUO2_PostIsolation5: C28_PostIsolation5_Drive2.2 pad.@7769.13,5567.29 Q3_PostIsolation5_Drive2.G R28_PostIsolation5_Drive2.2 U2_PostIsolation5_Isolation5.13 | length 450
  Bottom Layer w8: pad.@7769.13,5567.29 7769.13,5603.12
  Bottom Layer w10: U2_PostIsolation5_Isolation5.13@7516.93,5462.99 7516.93,5497.7 7583.82,5564.59 7675.31,5564.59 7715.35,5604.62
  Bottom Layer w15: Q3_PostIsolation5_Drive2.G@7868,5714.42 7868,5710.48 7872.31,5706.17 7876.25,5706.17 7905.4,5677.02 7905.4,5645.62 7874.27,5614.5 C28_PostIsolation5_Drive2.2@7869.96,5610.18